# Allegro board 1140022-KU060_PCIE_FIBER_BOARD_V001_pcb166_20240120_1835_pcb.brd (continued)
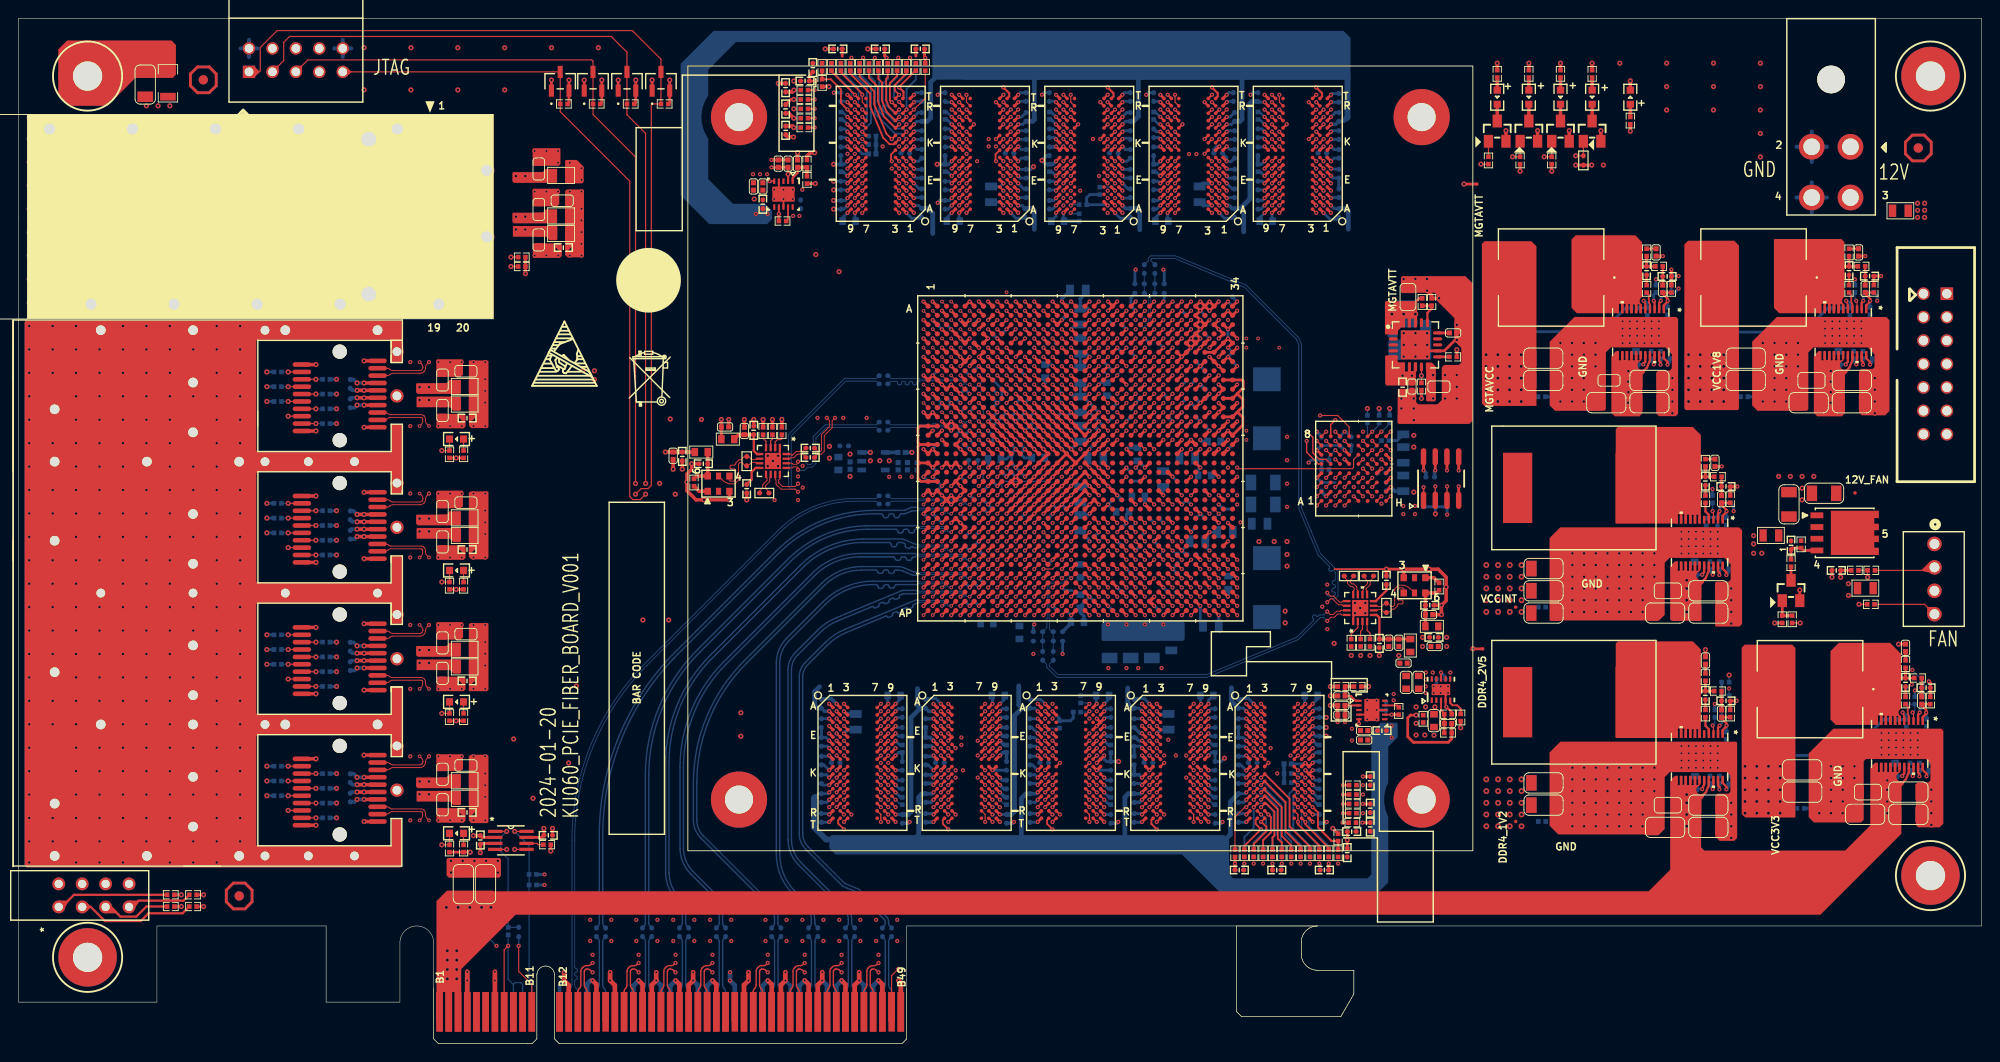
[diagram p0: board, top side]
## Placement (name value [footprint] x y rotation side) (continued)
C327  4.7UF  [C0402_BGA]  86.11 105.82 270 top
C328  4.7UF  [C0402_BGA]  85.26 104.37 0 top
C329  4.7UF  [C0402_BGA]  83.16 101.33 90 top
C330  4.7UF  [C0402_BGA]  93.43 107.85 180 bottom
C331  0.1UF  [C0402_BGA]  97.75 107.85 0 top
C332  4.7UF  [C0402_BGA]  148.23 36.6 90 bottom
C333  0.1UF  [C0402_BGA]  93.43 107.85 180 top
C334  1000PF  [C0402]  84.46 95.41 270 top
C335  0.1UF  [C0402_BGA]  88.82 107.85 180 top
C336  0.1UF  [C0402_BGA]  88.82 107.85 180 bottom
C337  0.1UF  [C0402_BGA]  83.16 99.02 270 top
C338  0.1UF  [C0402_BGA]  83.16 103.64 90 top
C339  0.1UF  [C0402_BGA]  97.75 107.85 0 bottom
C340  10uF  [C0402]  79.68 92.93 270 top
C341  10uF  [C0402]  80.69 92.93 270 top
C342  10uF  [C0402]  143.4 35.61 180 top
C343  10uF  [C0402]  143.4 36.67 180 top
C344  4.7UF  [C0402_BGA]  141.02 24.36 270 bottom
C345  0.1UF  [C0402_BGA]  143.13 90.06 270 bottom
C346  0.1UF  [C0402_BGA]  143.12 100.47 90 bottom
C347  0.1UF  [C0402_BGA]  131.82 100.47 90 bottom
C348  10nF  [C0402]  92.56 96.47 180 bottom
C353  22uF  [C0603]  58.94 91.39 180 top
C354  0.1UF  [C0402_BGA]  59.07 86.31 180 top
C355  22uF  [C0603]  56.4 94.83 90 top
C356  0.1UF  [C0402_BGA]  43.13 90.8 90 bottom
C357  22uF  [C0603]  56.4 87.13 270 top
C360  0.1UF  [C0402_BGA]  48.33 89.03 270 bottom
C363  22uF  [C0603]  56.4 90.44 90 top
C364  0.1UF  [C0402_BGA]  48.33 91.41 90 bottom
C373  22uF  [C0603]  45.96 68.64 270 top
C374  0.1UF  [C0402_BGA]  35.96 69.42 270 bottom
C375  22uF  [C0603]  48.5 72.9 180 top
C376  0.1UF  [C0402_BGA]  48.63 67.82 180 top
C377  22uF  [C0603]  45.96 71.95 90 top
C378  0.1UF  [C0402_BGA]  35.96 71.53 90 bottom
C549  22UF  [C1206]  191.92 58.46 90 top
C550  0.1UF  [C0402_BGA]  192.15 54.03 270 top
C552  22UF  [C1206]  195.73 59.67 180 top
C1188  0.1UF  [C0402_BGA]  182.87 60.99 90 top
C1189  4.7UF  [C0805]  178.8 49.09 180 top
C1190  1UF  [C0603]  181.69 51.53 90 bottom
C1193  22UF  [C1206]  178.5 46.68 180 bottom
C1194  22UF  [C1206]  183.18 46.68 0 top
C1195  22UF  [C1206]  183.18 46.68 0 bottom
C1196  22UF  [C1206]  183.18 49.09 0 top
C1197  22UF  [C1206]  178.5 46.68 180 top
C1198  0.1UF  [C0402_BGA]  184.17 56.59 270 bottom
C1211  10uF  [C0402]  151.05 71.24 270 top
C1212  47uF  [C0805]  150.62 80.94 90 top
C1213  10uF  [C0402]  149.02 76.41 270 bottom
C1214  0.1UF  [C0402_BGA]  150.04 71.17 270 top
C1215  1UF  [C0603]  172.42 71.9 180 top
C1216  1UF  [C0603]  175.34 74.34 90 bottom
C1219  1UF  [C0603]  153.97 71.22 180 top
C1220  10nF  [C0402]  155.52 77.06 180 top
C1221  22UF  [C1206]  172.12 69.49 180 bottom
C1222  22UF  [C1206]  176.8 71.9 0 top
C1223  22UF  [C1206]  176.8 69.49 0 top
C1224  22UF  [C1206]  172.12 69.49 180 top
C1241  4.7UF  [C0805]  178.8 25.85 180 top
C1242  1UF  [C0603]  181.74 28.29 90 bottom
C1245  22UF  [C1206]  178.5 23.44 180 bottom
C1246  22UF  [C1206]  183.18 23.44 0 top
C1247  22UF  [C1206]  178.5 23.44 180 top
C1248  22UF  [C1206]  183.18 25.85 0 top
C1249  22UF  [C1206]  183.18 23.44 0 bottom
C1251  4.7UF  [C0805]  194.36 71.9 180 top
C1252  1UF  [C0603]  197.28 74.34 90 bottom
C1255  22UF  [C1206]  198.75 71.9 0 top
C1256  22UF  [C1206]  198.75 69.49 0 top
C1257  22UF  [C1206]  194.06 69.49 180 top
C1258  22UF  [C1206]  194.06 69.49 180 bottom
C1259  22UF  [C1206]  198.75 69.49 0 bottom
C1261  4.7UF  [C0805]  200.49 27.26 180 top
C1262  1UF  [C0603]  203.43 29.7 90 bottom
C1265  22UF  [C1206]  204.87 24.85 0 top
C1266  22UF  [C1206]  204.87 27.26 0 top
C1267  22UF  [C1206]  200.19 24.85 180 top
C1268  22UF  [C1206]  200.19 24.85 180 bottom
C1269  22UF  [C1206]  204.87 24.85 0 bottom
C1275  22uF  [C0603]  150.42 39.17 270 top
C1276  22uF  [C0603]  151.79 39.17 270 top
C1277  10nF  [C0402]  154.97 34.7 0 top
C1278  22uF  [C0603]  153.44 35.01 270 bottom
C1279  22uF  [C0603]  153.44 35.01 270 top
C1281  0.1UF  [C0402_BGA]  154.21 39.52 180 bottom
C1372  0.47UF  [C0402_BGA]  152.98 47.52 0 top
C1373  0.47UF  [C0402_BGA]  153.44 44.05 180 top
C1374  10uF  [C0402]  153.51 43.05 180 top
C1375  10uF  [C0402]  150.15 41.25 180 top
C1376  10uF  [C0402]  148.54 43.46 270 top
C1377  0.1UF  [C0402_BGA]  147.52 43.39 270 top
C1378  0.1UF  [C0402_BGA]  111.03 42.03 90 bottom
C1379  0.1UF  [C0402_BGA]  112.17 42.03 90 bottom
C1380  0.1UF  [C0402_BGA]  122.04 83.97 270 bottom
C1382  0.1UF  [C0402_BGA]  123.19 83.97 270 bottom
C1388  0.1UF  [C0402_BGA]  148.29 50.23 270 top
C1392  10uF  [C0402]  70.97 63.73 270 top
C1393  10uF  [C0402]  78.69 66.42 90 top
C1395  0.1UF  [C0402_BGA]  85.82 64.56 0 top
C1396  0.1UF  [C0402_BGA]  85.82 63.55 0 top
C1399  0.1UF  [C0402_BGA]  79.71 66.49 90 top
C1407  0.1UF  [C0402_BGA]  78.94 60.16 90 top
C1420  0.47UF  [C0402_BGA]  74.25 62.87 180 top
C1421  0.47UF  [C0402_BGA]  71.96 63.67 270 top
C1422  10uF  [C0402]  76.6 66.86 0 top
C1432  1000pF  [C1206]  13.74 103.99 270 top
C1473  0.1UF  [C0402_BGA]  153.03 61.42 0 bottom
C1477  10uF  [C0402]  90.14 62.67 90 bottom
C1478  0.1UF  [C0402_BGA]  89.51 64.8 0 bottom
C1480  10uF  [C0402]  95.35 62.59 90 bottom
C1481  10uF  [C0402]  96.37 62.59 90 bottom
C1487  47uF  [C0805]  150.11 66.9 90 bottom
C1488  47uF  [C0805]  150.11 60.74 270 bottom
C1491  0.1UF  [C0402_BGA]  57.43 22.58 0 top
C1492  0.1UF  [C0402_BGA]  50.07 22.07 90 top
C1493  1000PF  [C0402]  149.63 43.46 90 top
C1494  1000PF  [C0402]  152.91 46.51 180 top
C1495  0.47UF  [C0402_BGA]  119.08 58.95 0 bottom
C1500  100UF  [C1206]  165.32 46.68 0 top
C1501  100UF  [C1206]  165.32 49.09 0 bottom
C1502  100UF  [C1206]  165.32 51.5 0 bottom
C1503  100UF  [C1206]  165.32 49.09 0 top
C1505  1000PF  [C0402]  184.62 59.02 90 top
C1506  0.1UF  [C0402_BGA]  185.09 60.4 0 top
C1516  100UF  [C1206]  165.32 51.5 0 top
C1518  100UF  [C1206]  165.32 25.85 0 bottom
C1519  100UF  [C1206]  165.32 25.85 0 top
C1520  100UF  [C1206]  165.32 28.26 0 bottom
C1521  100UF  [C1206]  165.32 28.26 0 top
C1522  0.1UF  [C0402_BGA]  182.87 37.75 90 top
C1523  0.1UF  [C0402_BGA]  185.09 37.16 0 top
C1524  1000PF  [C0402]  184.62 35.78 90 top
C1526  100UF  [C1206]  187.24 74.31 0 bottom
C1527  100UF  [C1206]  187.24 74.31 0 top
C1528  100UF  [C1206]  187.24 71.9 0 top
C1529  100UF  [C1206]  187.24 71.9 0 bottom
C1530  0.1UF  [C0402_BGA]  198.44 83.8 90 top
C1531  0.1UF  [C0402_BGA]  200.66 83.21 0 top
C1532  1000PF  [C0402]  200.19 81.83 90 top
C1534  100UF  [C1206]  193.36 29.68 0 top
C1535  100UF  [C1206]  193.36 27.26 0 top
C1536  100UF  [C1206]  193.36 29.68 0 bottom
C1537  100UF  [C1206]  193.36 27.26 0 bottom
C1538  0.1UF  [C0402_BGA]  204.56 39.16 90 top
C1539  0.1UF  [C0402_BGA]  206.78 38.58 0 top
C1540  1000PF  [C0402]  206.31 37.2 90 top
C1542  100UF  [C1206]  165.29 74.31 0 top
C1543  100UF  [C1206]  165.29 71.9 0 bottom
C1544  100UF  [C1206]  165.29 71.9 0 top
C1545  100UF  [C1206]  165.29 74.31 0 bottom
C1546  0.1UF  [C0402_BGA]  176.49 83.8 90 top
C1547  0.1UF  [C0402_BGA]  178.71 83.17 0 top
C1548  1000PF  [C0402]  178.24 81.83 90 top
C1550  1000PF  [C0402]  183.9 62.97 90 top
C1552  1000PF  [C0402]  182.87 41.54 270 top
C1553  1000PF  [C0402]  199.46 85.78 90 top
C1554  1000PF  [C0402]  204.56 42.91 270 top
C1563  1000PF  [C0402]  177.52 85.78 90 top
C1565  22uF  [C0603]  48.5 58.65 180 top
C1566  0.1UF  [C0402_BGA]  48.63 53.57 180 top
C1567  22uF  [C0603]  45.96 54.39 270 top
C1568  0.1UF  [C0402_BGA]  35.96 55.17 270 bottom
C1569  22uF  [C0603]  45.96 57.7 90 top
C1570  0.1UF  [C0402_BGA]  35.96 57.28 90 bottom
C1571  22uF  [C0603]  48.5 44.4 180 top
C1572  0.1UF  [C0402_BGA]  48.63 39.32 180 top
C1573  22uF  [C0603]  45.96 40.14 270 top
C1574  0.1UF  [C0402_BGA]  35.96 40.92 270 bottom
C1575  22uF  [C0603]  45.96 43.45 90 top
C1576  0.1UF  [C0402_BGA]  35.96 43.03 90 bottom
C2482  0.22UF  [C0402_BGA]  94.65 12.07 270 bottom
C2483  0.22UF  [C0402_BGA]  93.65 12.07 270 bottom
C2484  0.22UF  [C0402_BGA]  90.65 12.07 270 bottom
C2485  0.22UF  [C0402_BGA]  89.65 12.07 270 bottom
C2486  0.22UF  [C0402_BGA]  86.65 12.07 270 bottom
C2487  0.22UF  [C0402_BGA]  85.65 12.07 270 bottom
C2488  0.22UF  [C0402_BGA]  82.65 12.07 270 bottom
C2489  0.22UF  [C0402_BGA]  81.65 12.07 270 bottom
C2490  0.22UF  [C0402_BGA]  76.65 12.07 270 bottom
C2491  0.22UF  [C0402_BGA]  75.65 12.07 270 bottom
C2492  0.22UF  [C0402_BGA]  72.65 12.07 270 bottom
C2493  0.22UF  [C0402_BGA]  71.65 12.07 270 bottom
C2494  0.22UF  [C0402_BGA]  68.65 12.07 270 bottom
C2495  0.22UF  [C0402_BGA]  67.65 12.07 270 bottom
C2496  0.22UF  [C0402_BGA]  63.65 12.07 270 bottom
C2497  0.22UF  [C0402_BGA]  62.65 12.07 270 bottom
C2502  22UF  [C1206]  48.23 17.29 90 top
C2505  22UF  [C1206]  50.62 17.29 90 top
C2506  22uF  [C0603]  48.5 30.15 180 top
C2507  0.1UF  [C0402_BGA]  48.63 25.07 180 top
C2508  22uF  [C0603]  45.96 25.89 270 top
C2509  0.1UF  [C0402_BGA]  35.96 26.67 270 bottom
C2510  22uF  [C0603]  45.96 29.2 90 top
C2511  0.1UF  [C0402_BGA]  35.96 28.78 90 bottom
C2512  10nF  [C0402]  95.73 64.09 180 bottom
C2513  0.1UF  [C0402_BGA]  197.06 51.31 180 top
D1  BAT54SLT1G  [SOT-23]  58.72 104.34 0 top
D2  BAT54SLT1G  [SOT-23]  62.28 104.34 0 top
D3  BAT54SLT1G  [SOT-23]  65.96 104.34 0 top
D4  BAT54SLT1G  [SOT-23]  69.65 104.34 0 top
D5  -  [H485CGDL]  4.37 14.81 90 top
DS1  SML-LX0603GW-TR  [LED_0603]  170.59 102.61 270 top
DS2  SML-LX0603GW-TR  [LED_0603]  167.16 102.61 270 top
DS3  SML-LX0603GW-TR  [LED_0603]  163.73 102.61 270 top
DS4  SML-LX0603GW-TR  [LED_0603]  47.49 65.55 180 top
DS9  SML-LX0603GW-TR  [LED_0603]  160.3 102.61 270 top
DS11  SML-LX0603GW-TR  [LED_0603]  174.73 102.61 90 top
DS12  SML-LX0603GW-TR  [LED_0603]  47.49 51.3 180 top
DS13  SML-LX0603GW-TR  [LED_0603]  47.49 37.05 180 top
DS14  SML-LX0603GW-TR  [LED_0603]  47.49 22.8 180 top
J1  JTAG  [SBH11-PBPC-D05-ST-BK]  30.07 106.63 0 top
J3  FS1-Z38-20Z6-60  [QSFP_38]  45.34 96.66 270 top
J4  U95-T151-100A  [D_QSFP_1X1]  45.34 96.66 270 top
J19  CONN_14  [SBH11-PBPC-D07-ST-BK]  209.04 81.3 0 top
J59  -  [0039301040]  196.49 100.73 180 top
J63  -  [0022112042]  207.7 54.17 270 top
L1  BLM18SG121TN1D  [L0603]  110.55 63.5 180 bottom
L2  BLM21SN300SN1D  [L0805]  150.11 63.82 270 bottom
L4  BLM21SN300SN1D  [L0805]  58.82 94.13 180 top
L5  BLM21SN300SN1D  [L0805]  58.82 87.83 180 top
L6  BLM21SN300SN1D  [L0805]  58.82 89.74 180 top
L12  BLM21SN300SN1D  [L0805]  48.38 69.34 180 top
L13  BLM21SN300SN1D  [L0805]  48.38 71.25 180 top
L48  BLM21SN300SN1D  [L0805]  189.97 55.09 0 top
L52  BLM21SN300SN1D  [L0805]  200.2 49.38 180 top
L117  0.44UH  [PA0513_441NLT]  168.71 60.25 0 top
L119  0.56uH  [IHLP4040DZERR]  166.14 83.06 180 top
L144  BLM18SG121TN1D  [L0603]  153.21 45.24 0 top
L150  BLM18SG121TN1D  [L0603]  74.02 64.14 180 top
L152  BLM18SG121TN1D  [L0603]  105.81 63.37 0 bottom
L161  BLM21SN300SN1D  [L0805]  116.76 63.45 180 bottom
L201  0.44UH  [PA0513_441NLT]  168.71 37.01 0 top
L229  BLM21SN300SN1D  [L0805]  48.38 55.09 180 top
L230  BLM21SN300SN1D  [L0805]  48.38 57 180 top
L231  BLM21SN300SN1D  [L0805]  48.38 40.84 180 top
L232  BLM21SN300SN1D  [L0805]  48.38 42.75 180 top
L233  0.56uH  [IHLP4040DZERR]  188.09 83.06 180 top
L234  0.56uH  [IHLP4040DZERR]  194.21 38.42 180 top
L235  BLM21SN300SN1D  [L0805]  48.38 26.59 180 top
L236  BLM21SN300SN1D  [L0805]  48.38 28.5 180 top
L237  BLM21SN300SN1D  [L0805]  204 90.3 0 top
L238  BLM18SG121TN1D  [L0603]  76.9 65.54 0 top
L239  BLM18SG121TN1D  [L0603]  150.88 43.16 90 top
L240  BLM18SG121TN1D  [L0603]  88.87 62.89 270 bottom
MH1  MH_125_250  [MH_250H125]  7.49 104.9 0 top
MH2  MH_125_250  [MH_250H125]  7.49 9.35 0 top
MH3  MH_125_250  [MH_250H125]  207.26 18.21 0 top
MH4  MH_125_250  [MH_250H125]  207.26 104.9 0 top
NOREF  -  [unnamed]  20.04 104.5 0 top
NOREF#2  -  [#2]  15.01 4.5 0 top
NOREF#3  -  [#2]  0 0 0 top
NOREF#4  -  [#2]  58.1 0.51 0 top
NOREF#5  -  [#2]  381.76 178.82 0 top
NOREF#6  -  [#2]  15.01 4.5 0 top
NOREF#7  -  [#2]  -17.12 -63.53 0 top
NOREF#8  -  [#2]  -129.13 -139.57 0 top
NOREF#9  -  [#2]  67.03 40.69 90 top
NOREF#10  -  [#2]  304.25 37.79 0 top
NOREF#11  -  [#2]  56.2 0.51 0 top
NOREF#12  -  [#2]  206.98 214.3 0 top
NOREF#13  -  [#2]  0 0 0 top
NOREF#14  -  [unnamed]  205.94 97.1 0 top
NOREF#15  -  [#2]  41.35 4.5 0 top
NOREF#16  -  [unnamed]  23.93 16 0 top
NOREF#17  -  [#2]  225.35 135 0 top
NOREF#18  -  [#2]  58.5 74.31 0 top
NOREF#19  -  [#2]  378.94 -42.32 0 top
NOREF#20  -  [#2]  33.35 4.5 0 top
NOREF#21  -  [#2]  96.29 0.51 0 top
NOREF#22  -  [#2]  70.97 72.21 0 top
NOREF#23  -  [#2]  33.35 12.75 0 top
NOREF#24  -  [#2]  212.8 12.75 0 top
NOREF#25  -  [#2]  212.8 111.15 0 top
NOREF#26  -  [#2]  45.01 0.51 0 top
NOREF#27  -  [#2]  68.3 82.76 0 top
NOREF#28  -  [unnamed]  205.94 97.1 180 bottom
NOREF#29  -  [unnamed]  20.04 104.5 180 bottom
P1  2007132-1  [SFP_1X4_CAGE]  3.93 20.35 270 top
Q1  -  [NDS331N]  170.59 98.93 0 top
Q2  -  [NDS331N]  167.16 98.93 0 top
Q3  -  [NDS331N]  163.73 98.93 0 top
Q8  SI7145DP-T1-GE3  [POWERPAK_SO-8]  197.96 55.37 0 top
Q9  -  [NDS331N]  192.15 49.12 0 top
Q19  -  [NDS331N]  160.3 98.93 0 top
R1  0R  [R0402_BGA]  103.5 63.25 0 bottom
R2  0R  [R0402_BGA]  112.1 60.95 180 bottom
R3  4K7  [R0402_BGA]  105.08 60.98 180 bottom
R4  4K7  [R0402_BGA]  105.06 65.01 180 bottom
R6  1K  [R0402_BGA]  103.11 60.95 180 bottom
R8  1K  [R0402_BGA]  103.61 65.44 270 bottom
R9  499R  [R0402]  170.59 105.15 270 top
R10  1K  [R0402_BGA]  105.06 67.01 180 bottom
R11  1K  [R0402_BGA]  103.06 68.01 180 bottom
R12  4K7  [R0402_BGA]  169.64 95.75 90 top
R13  1K  [R0402_BGA]  105.11 68.99 180 bottom
R14  1K  [R0402_BGA]  105.11 67.99 0 bottom
R15  1K  [R0402_BGA]  105.11 69.99 180 bottom
R16  1K  [R0402_BGA]  105.11 70.99 0 bottom
R17  1K  [R0402_BGA]  105.11 71.97 180 bottom
R18  1K  [R0402_BGA]  103.11 70.97 180 bottom
R19  4K7  [R0402]  70.05 101.88 0 top
R20  4K7  [R0402]  66.36 101.88 0 top
R21  4K7  [R0402]  62.68 101.88 0 top
R22  4K7  [R0402]  59.12 101.88 0 top
R23  1K  [R0402_BGA]  111.11 56.95 0 bottom
R24  4K7  [R0402_BGA]  106.11 47.94 0 bottom
R25  1K  [R0402_BGA]  119.1 72.95 180 bottom
R26  4K7  [R0402]  141.66 62.24 0 bottom
R27  4K7  [R0402]  147.5 67.71 270 bottom
R28  4K7  [R0402]  148.16 65.38 180 bottom
R29  4K7  [R0402]  141.66 63.26 0 bottom
R30  4K7  [R0402]  148.64 67.71 270 bottom
R31  0R  [R0402]  146.23 67.71 90 bottom
R34  1K  [R0402_BGA]  121.61 61.45 270 bottom
R35  499R  [R0402]  167.16 105.15 270 top
R36  499R  [R0402]  163.73 105.15 270 top
R37  240R  [R0402_BGA]  125.61 60.45 270 bottom
R38  1K  [R0402]  166.21 95.75 90 top
R39  1K  [R0402]  162.78 95.75 90 top
R43  1K  [R0402_BGA]  128.11 59.95 0 bottom
R44  240R  [R0402_BGA]  126.61 58.44 270 bottom
R45  1K  [R0402_BGA]  120.06 55.96 180 bottom
R46  1K  [R0402_BGA]  117.11 54.95 180 bottom
R47  240R  [R0402_BGA]  122.09 56.97 180 bottom
R48  240R  [R0402_BGA]  116.61 47.45 270 bottom
R49  100R  [R0402_BGA]  113.11 50.95 0 bottom
R50  1K  [R0402_BGA]  112.68 44.66 0 bottom
R51  1K  [R0402_BGA]  110.52 44.66 180 bottom
R52  1K  [R0402_BGA]  112.68 43.64 180 bottom
R53  1K  [R0402_BGA]  110.52 43.64 0 bottom
R54  1K  [R0402_BGA]  125.65 52.53 270 bottom
R55  240R  [R0402_BGA]  123.62 53.42 270 bottom
R56  1K  [R0402_BGA]  111.55 70.44 90 bottom
R57  1K  [R0402_BGA]  117.58 73.45 90 bottom
R58  240R  [R0402_BGA]  113.61 79.46 90 bottom
R59  240R  [R0402_BGA]  126.61 78.45 270 bottom
R60  100R  [R0402_BGA]  121.61 78.45 270 bottom
R61  1K  [R0402_BGA]  123.69 81.36 0 bottom
R62  1K  [R0402_BGA]  121.53 81.36 180 bottom
R63  1K  [R0402_BGA]  123.69 82.37 180 bottom
R64  1K  [R0402_BGA]  121.53 82.37 0 bottom
R65  1K  [R0402_BGA]  107.61 69.45 270 bottom
R66  240R  [R0402_BGA]  105.12 79.95 0 bottom
R67  100R  [R0402_BGA]  103.1 46.95 180 bottom
R68  100R  [R0402_BGA]  131.61 80.46 90 bottom
R69  499R  [R0402]  95.8 26.3 90 bottom
R70  240R  [R0402]  95.8 31.97 90 bottom
R71  499R  [R0402]  107.11 26.3 90 bottom
R72  240R  [R0402]  107.11 31.97 90 bottom
R73  1K  [R0402]  112.85 34.59 270 bottom
R74  1K  [R0402]  114.74 35.94 180 bottom
R75  1K  [R0402]  115.14 37.33 90 bottom
R76  499R  [R0402]  118.41 26.3 90 bottom
R77  499R  [R0402]  129.71 26.3 90 bottom
R78  240R  [R0402]  118.41 31.97 90 bottom
R79  240R  [R0402]  129.71 31.97 90 bottom
R80  39R2  [R0402]  143.05 20.63 90 top
R81  4K7  [R0402]  143.05 22.36 270 top
R82  4K7  [R0402]  131.87 20.63 90 top
R83  39R2  [R0402]  135.94 20.63 270 top
R84  39R2  [R0402]  141.02 20.63 270 bottom
R85  39R2  [R0402]  134.92 20.63 270 top
R86  39R2  [R0402]  144.64 25.99 0 top
R87  39R2  [R0402]  136.95 20.63 270 top
R88  39R2  [R0402]  144.6 23.95 0 top
R89  39R2  [R0402]  132.89 20.63 270 bottom
R90  39R2  [R0402]  142.03 20.63 270 bottom
R91  39R2  [R0402]  133.9 20.63 270 bottom
R92  39R2  [R0402]  141.02 20.63 270 top
R93  39R2  [R0402]  137.97 20.63 270 top
R94  39R2  [R0402]  132.89 20.63 270 top
R95  39R2  [R0402]  140 20.63 270 bottom
R96  39R2  [R0402]  142.03 20.63 270 top
R97  39R2  [R0402]  134.92 20.63 270 bottom
R98  39R2  [R0402]  144.64 24.97 0 top
R99  4K7  [R0402]  149.63 36.07 90 top
R100  39R2  [R0402]  135.94 20.63 270 bottom
R101  10K  [R0402]  143.4 38.71 0 top
R102  39R2  [R0402]  138.98 20.63 270 bottom
R103  10K  [R0402]  145.17 38.71 180 top
R104  39R2  [R0402]  144.64 28.02 0 top
R105  39R2  [R0402]  144.64 27 0 top
R106  39R2  [R0402]  136.95 20.63 270 bottom
R107  39R2  [R0402]  140 20.63 270 top
R108  39R2  [R0402]  137.97 20.63 270 bottom
R109  499R  [R0402]  141.02 26.3 90 bottom
R110  39R2  [R0402]  138.98 20.63 270 top
R111  240R  [R0402]  141.02 31.97 90 bottom
R112  39R2  [R0402]  133.9 20.63 270 top
R113  36R  [R0402]  137.59 29.29 180 bottom
R114  36R  [R0402]  137.59 28.3 180 bottom
R115  499R  [R0402]  123.06 100.6 270 bottom
R116  240R  [R0402]  123.06 94.94 270 bottom
R117  499R  [R0402]  134.36 100.6 270 bottom
R118  240R  [R0402]  134.36 94.94 270 bottom
R119  1K  [R0402]  117.22 92.45 90 bottom
R120  1K  [R0402]  115.39 90.96 0 bottom
R121  1K  [R0402]  114.99 89.57 270 bottom
R122  499R  [R0402]  111.76 100.6 270 bottom
R123  499R  [R0402]  89.15 100.6 270 bottom
R124  240R  [R0402]  111.76 94.94 270 bottom
R125  240R  [R0402]  89.15 94.94 270 bottom
R126  39R2  [R0402]  87.12 105.89 270 top
R127  4K7  [R0402]  87.12 104.16 90 top
R128  4K7  [R0402]  98.29 105.89 270 top
R129  39R2  [R0402]  94.23 105.89 90 top
R130  39R2  [R0402]  89.15 105.89 90 bottom
R131  39R2  [R0402]  95.25 105.89 90 top
R132  39R2  [R0402]  85.19 101.35 180 top
R133  39R2  [R0402]  93.21 105.89 90 top
R134  39R2  [R0402]  85.19 103.38 180 top
R135  39R2  [R0402]  97.28 105.89 90 bottom
R136  39R2  [R0402]  88.13 105.89 90 bottom
R137  39R2  [R0402]  96.26 105.89 90 bottom
R138  39R2  [R0402]  89.15 105.89 90 top
R139  39R2  [R0402]  92.2 105.89 90 top
R140  39R2  [R0402]  97.28 105.89 90 top
R141  39R2  [R0402]  90.17 105.89 90 bottom
R142  39R2  [R0402]  88.13 105.89 90 top
R143  39R2  [R0402]  95.25 105.89 90 bottom
R144  39R2  [R0402]  94.23 105.89 90 bottom
R145  10K  [R0402]  85.47 95.41 270 top
R146  4K7  [R0402]  82.83 89.18 0 top
R147  39R2  [R0402]  85.19 102.36 180 top
R148  39R2  [R0402]  91.18 105.89 90 bottom
R149  39R2  [R0402]  85.19 99.32 180 top
R150  10K  [R0402]  85.47 93.65 90 top
R151  39R2  [R0402]  85.19 100.33 180 top
R152  39R2  [R0402]  93.21 105.89 90 bottom
R153  39R2  [R0402]  90.17 105.89 90 top
R154  39R2  [R0402]  92.2 105.89 90 bottom
R155  499R  [R0402]  100.45 100.6 270 bottom
R156  39R2  [R0402]  91.18 105.89 90 top
R157  240R  [R0402]  100.45 94.94 270 bottom
R158  39R2  [R0402]  96.26 105.89 90 top
R159  36R  [R0402]  92.56 98.39 0 bottom
R160  36R  [R0402]  92.56 97.49 0 bottom
R163  4K7  [R0402]  42.85 88.7 0 bottom
R164  4K7  [R0402]  42.85 87.68 0 bottom
R167  4K7  [R0402]  54.56 84.25 180 top
R168  4K7  [R0402]  54.56 85.27 180 top
R173  4K7  [R0402]  28.11 72.82 0 bottom
R174  4K7  [R0402]  33.37 72.02 180 bottom
R175  4K7  [R0402]  28.11 71.22 0 bottom
R176  4K7  [R0402]  33.37 70.42 180 bottom
R177  4K7  [R0402]  28.11 69.62 0 bottom
R178  4K7  [R0402]  33.37 68.82 180 bottom
R179  499R  [R0402]  48.25 63.9 270 top
R180  4K7  [R0402]  33.37 67.22 180 bottom
R181  4K7  [R0402]  46.73 63.9 90 top
R239  470K  [R0402]  193.24 54.13 270 top
R241  10K  [R0402]  192.15 52.1 270 top
R245  0R  [R0402]  192.27 46 270 top
R247  1K  [R0402]  191.2 46 90 top
R250  4K7  [R0402]  199.07 51.31 0 top
R251  0R  [R0402]  200.85 51.31 0 top
R580  5K76  [R0402]  185.56 59.02 270 top
R581  187K  [R0402]  185.4 51.85 270 bottom
R582  147K  [R0402]  184.38 51.85 270 bottom
R583  200K  [R0402]  183.37 51.85 90 bottom
R584  10K  [R0402]  185.16 56.61 90 bottom
R585  2R  [R0402]  182.87 59.02 90 top
R586  200R  [R0402]  165.15 47.32 180 bottom
R587  100K  [R0402]  183.63 59.02 270 bottom
R588  20K  [R0402]  185.15 58.67 180 bottom
R589  10K  [R0402]  182.96 56.55 90 bottom
R601  6K34  [R0402]  179.18 81.83 90 top
R602  187K  [R0402]  179.02 74.65 270 bottom
R603  200R  [R0402]  151.82 78.18 180 bottom
R604  200K  [R0402]  176.99 74.65 90 bottom
R605  120K  [R0402]  178 74.65 270 bottom
R607  2K49  [R0402]  152.17 80.41 270 top
R608  4K99  [R0402]  153.19 80.41 270 top
R610  100K  [R0402]  177.51 81.83 270 bottom
R611  10K  [R0402]  152.08 71.24 90 top
R612  0R  [R0402]  155.52 74.46 0 top
R626  499R  [R0402]  160.3 105.15 270 top
R628  0R  [R0402]  159.35 95.75 270 top
R631  10K  [R0402]  185.56 35.78 270 top
R632  187K  [R0402]  185.4 28.6 270 bottom
R633  110K  [R0402]  184.38 28.6 270 bottom
R634  200K  [R0402]  183.37 28.6 90 bottom
R637  100K  [R0402]  183.89 35.78 270 bottom
R638  200K  [R0402]  198.94 74.65 90 bottom
R641  187K  [R0402]  200.96 74.65 270 bottom
R645  100K  [R0402]  199.07 81.83 270 bottom
R650  187K  [R0402]  207.09 30.02 270 bottom
R652  200K  [R0402]  205.06 30.02 90 bottom
R654  0R  [R0402]  200.71 81.48 0 bottom
R655  0R  [R0402]  185.04 37.72 0 bottom
R657  0R  [R0402]  206.56 37.2 90 bottom
R658  0R  [R0402]  179.18 82.82 90 bottom
R660  0R  [R0402]  178.77 81.48 0 bottom
R661  100K  [R0402]  205.57 37.2 270 bottom
R664  4K7  [R0402]  156.34 35.36 90 top
R667  2K43  [R0402]  154.97 33.68 180 top
R670  1K15  [R0402]  154.97 35.71 0 top
R701  4K7  [R0402]  174.73 100.08 90 top
R723  4K7  [R0402]  154 49.56 90 top
R726  1K  [R0402]  144.48 43.46 90 top
R727  1K  [R0402]  145.49 43.46 90 top
R728  1K  [R0402]  146.51 43.46 90 top
R748  4K7  [R0402]  73.23 60.83 270 top
R755  5mR  [R1206]  16.21 104.12 90 top
R767  1K  [R0402_BGA]  128.1 57.95 180 bottom
R768  1K  [R0402_BGA]  129.1 56.95 180 bottom
R769  1K  [R0402_BGA]  131.1 56.95 180 bottom
R770  1K  [R0402_BGA]  130.1 57.95 180 bottom
R775  1K  [R0402_BGA]  105.06 66.01 180 bottom
R778  0R  [R0402]  200.8 47.62 0 top
R829  4K7  [R0402]  154.87 58.6 90 bottom
R830  4K7  [R0402]  153.6 58.6 90 bottom
R831  4K7  [R0402]  152.33 58.6 90 bottom
R841  200R  [R0402]  97.38 62.59 270 bottom
R843  499R  [R0402]  152.27 35.22 270 top
R845  4K7  [R0402]  57.3 21.56 180 top
R849  0R  [R0402]  185.04 39.19 0 bottom
R881  3K01  [R0402]  184.22 61.46 0 top
R889  2R  [R0402]  182.87 62.97 270 top
R891  200R  [R0402]  165.15 24.08 180 bottom
R892  10K  [R0402]  185.16 33.37 90 bottom
R894  3K01  [R0402]  184.22 38.22 0 top
R895  2R  [R0402]  182.87 35.78 90 top
R897  200R  [R0402]  187.07 70.13 180 bottom
R898  10K  [R0402]  200.72 79.42 90 bottom
R899  3K01  [R0402]  199.79 84.27 0 top
R902  44K2  [R0402]  207.25 37.2 90 top
R903  499R  [R0402]  193.19 25.5 0 bottom
R905  10K  [R0402]  206.84 34.78 90 bottom
R906  3K01  [R0402]  205.91 39.63 0 top
R909  200R  [R0402]  165.12 70.13 180 bottom
R910  10K  [R0402]  178.78 79.42 90 bottom
R911  3K01  [R0402]  177.84 84.27 0 top
R915  2R  [R0402]  182.87 39.73 270 top
R916  2R  [R0402]  198.44 85.78 270 top
R917  2R  [R0402]  204.56 41.15 270 top
R918  19K6  [R0402]  201.13 81.83 90 top
R919  0R  [R0402]  176.49 81.83 270 top
R926  2R  [R0402]  176.49 85.78 270 top
R928  10K  [R0402]  176.58 79.36 90 bottom
R933  6K34  [R0402]  175.21 79.76 180 bottom
R987  0R  [R0402]  204.56 37.2 270 bottom
R1009  499R  [R0402]  48.25 49.65 270 top
R1010  4K7  [R0402]  33.37 57.77 180 bottom
R1011  4K7  [R0402]  28.11 58.57 0 bottom
R1012  4K7  [R0402]  28.11 56.97 0 bottom
R1013  4K7  [R0402]  33.37 56.17 180 bottom
R1014  4K7  [R0402]  33.37 54.57 180 bottom
R1015  4K7  [R0402]  33.37 52.97 180 bottom
R1016  4K7  [R0402]  46.73 49.65 90 top
R1017  4K7  [R0402]  28.11 55.37 0 bottom
R1018  499R  [R0402]  48.25 35.4 270 top
R1019  4K7  [R0402]  28.11 44.32 0 bottom
R1020  4K7  [R0402]  33.37 43.52 180 bottom
R1021  4K7  [R0402]  28.11 42.72 0 bottom
R1022  4K7  [R0402]  33.37 40.32 180 bottom
R1023  4K7  [R0402]  33.37 41.92 180 bottom
R1024  4K7  [R0402]  33.37 38.72 180 bottom
R1025  4K7  [R0402]  28.11 41.12 0 bottom
R1026  4K7  [R0402]  46.73 35.4 90 top
R1238  0R  [R0402_BGA]  50.59 11.86 0 bottom
R1240  4K7  [R0402]  53.09 12.19 90 bottom
R1241  4K7  [R0402]  55.75 18.34 0 bottom
R1242  4K7  [R0402]  55.75 17.2 180 bottom
R1243  0R  [R0402_BGA]  54.23 12.09 90 bottom
R1244  1K  [R0402]  80.72 66.42 270 top
R1245  1K  [R0402]  81.74 66.42 270 top
R1246  120K  [R0402]  199.95 74.65 270 bottom
R1248  10K  [R0402]  198.52 79.36 90 bottom
R1250  19K6  [R0402]  197.16 79.76 180 bottom
R1251  0R  [R0402]  198.44 81.83 270 top
R1252  0R  [R0402]  204.56 37.2 270 top
R1253  120K  [R0402]  206.07 30.02 270 bottom
R1254  10K  [R0402]  204.64 34.73 90 bottom
R1256  44K2  [R0402]  203.28 35.13 180 bottom
R1257  1K  [R0402_BGA]  99.12 61.95 180 bottom
R1258  1K  [R0402_BGA]  131.61 74.44 270 bottom
R1259  1K  [R0402_BGA]  131.61 65.44 270 bottom
R1260  499R  [R0402]  16.51 16.13 180 top
R1261  499R  [R0402]  18.92 14.86 180 top
R1262  499R  [R0402]  16.51 14.86 180 top
R1263  499R  [R0402]  18.92 16.13 180 top
R1266  499R  [R0402]  48.25 21.15 270 top
R1267  4K7  [R0402]  33.37 29.27 180 bottom
R1268  4K7  [R0402]  28.11 30.07 0 bottom
R1269  4K7  [R0402]  28.11 28.47 0 bottom
R1270  4K7  [R0402]  33.37 27.67 180 bottom
R1271  4K7  [R0402]  33.37 26.07 180 bottom
R1272  4K7  [R0402]  33.37 24.47 180 bottom
R1273  4K7  [R0402]  46.73 21.15 90 top
R1274  4K7  [R0402]  28.11 26.87 0 bottom
R1279  1K  [R0402]  82.75 66.42 270 top
R1280  100R  [R0402_BGA]  80.85 59.69 180 top
R1281  100R  [R0402_BGA]  144.22 50.7 0 top
R1282  100R  [R0402_BGA]  146.38 50.7 0 top
R1283  0R  [R0402_BGA]  130.61 79.46 90 bottom
R1284  100R  [R0402_BGA]  78.94 63.14 270 top
R1285  100R  [R0402_BGA]  148.29 47.24 90 top
REF  -  [unnamed]  23.93 16 180 bottom
TP1  0m381  [TESTPOINT]  125.11 73.45 90 bottom
TP2  0m381  [TESTPOINT]  125.11 74.45 90 bottom
TP3  0m381  [TESTPOINT]  150.11 57.4 270 bottom
TP4  0m381  [TESTPOINT]  151.38 57.4 270 bottom
TP5  0m381  [TESTPOINT]  150.11 58.29 270 bottom
TP6  0m381  [TESTPOINT]  151.38 58.29 270 bottom
TP7  0m381  [TESTPOINT]  93.49 34.43 180 bottom
TP8  0m381  [TESTPOINT]  93.49 36.03 180 bottom
TP9  0m381  [TESTPOINT]  93.47 36.83 180 bottom
TP10  0m381  [TESTPOINT]  104.79 34.43 180 bottom
TP11  0m381  [TESTPOINT]  104.79 36.03 180 bottom
TP12  0m381  [TESTPOINT]  104.78 36.83 180 bottom
TP13  0m381  [TESTPOINT]  116.09 30.43 180 bottom
TP14  0m381  [TESTPOINT]  127.39 34.43 180 bottom
TP15  0m381  [TESTPOINT]  112.09 32.03 180 bottom
TP16  0m381  [TESTPOINT]  112.09 32.83 180 bottom
TP17  0m381  [TESTPOINT]  127.4 36.03 180 bottom
TP18  0m381  [TESTPOINT]  127.38 36.83 180 bottom
TP19  0m381  [TESTPOINT]  138.7 34.43 180 bottom
TP20  0m381  [TESTPOINT]  138.7 36.03 180 bottom
TP21  0m381  [TESTPOINT]  138.68 36.83 180 bottom
TP22  0m381  [TESTPOINT]  125.38 92.47 0 bottom
TP23  0m381  [TESTPOINT]  125.38 90.87 0 bottom
TP24  0m381  [TESTPOINT]  125.38 90.07 0 bottom
TP25  0m381  [TESTPOINT]  136.68 92.47 0 bottom
TP26  0m381  [TESTPOINT]  136.68 90.87 0 bottom
TP27  0m381  [TESTPOINT]  136.68 90.07 0 bottom
TP28  0m381  [TESTPOINT]  114.07 97.27 0 bottom
TP29  0m381  [TESTPOINT]  91.47 92.47 0 bottom
TP30  0m381  [TESTPOINT]  118.07 94.87 0 bottom
TP31  0m381  [TESTPOINT]  118.07 94.07 0 bottom
TP32  0m381  [TESTPOINT]  91.47 90.87 0 bottom
TP33  0m381  [TESTPOINT]  91.47 90.07 0 bottom
TP34  0m381  [TESTPOINT]  102.77 92.47 0 bottom
TP35  0m381  [TESTPOINT]  102.77 90.87 0 bottom
TP36  0m381  [TESTPOINT]  102.77 90.07 0 bottom
TP39  0m381  [TESTPOINT]  199.08 59.7 270 top
TP95  0m381  [TESTPOINT]  162.3 47.32 180 top
TP97  0m381  [TESTPOINT]  158.09 93.19 270 top
TP105  0m381  [TESTPOINT]  158.72 42.8 90 top
TP123  0m381  [TESTPOINT]  140.75 58.34 270 bottom
TP124  0m381  [TESTPOINT]  145.75 63.34 270 bottom
TP125  0m381  [TESTPOINT]  146.75 66.34 270 bottom
TP126  0m381  [TESTPOINT]  147.75 66.34 270 bottom
TP127  0m381  [TESTPOINT]  132.11 62.45 180 bottom
TP128  0m381  [TESTPOINT]  130.11 57.45 0 bottom
TP129  0m381  [TESTPOINT]  129.11 57.45 0 bottom
TP130  0m381  [TESTPOINT]  114.11 50.45 0 bottom
TP131  0m381  [TESTPOINT]  113.11 50.45 0 bottom
TP134  0m381  [TESTPOINT]  146.75 64.34 270 bottom
TP154  0m381  [TESTPOINT]  94.39 61.45 0 bottom
TP160  0m381  [TESTPOINT]  162.3 24.08 180 top
TP161  0m381  [TESTPOINT]  184.22 70.13 180 top
TP162  0m381  [TESTPOINT]  190.34 25.5 180 top
TP163  0m381  [TESTPOINT]  162.27 70.13 180 top
TP166  0m381  [TESTPOINT]  170.36 48.73 90 top
TP168  0m381  [TESTPOINT]  169.08 71.53 90 top
TP170  0m381  [TESTPOINT]  167.36 23.85 180 top
